# Altium PCB MCH_MAIN.PCBDOC (part 9 of 14) (continued)
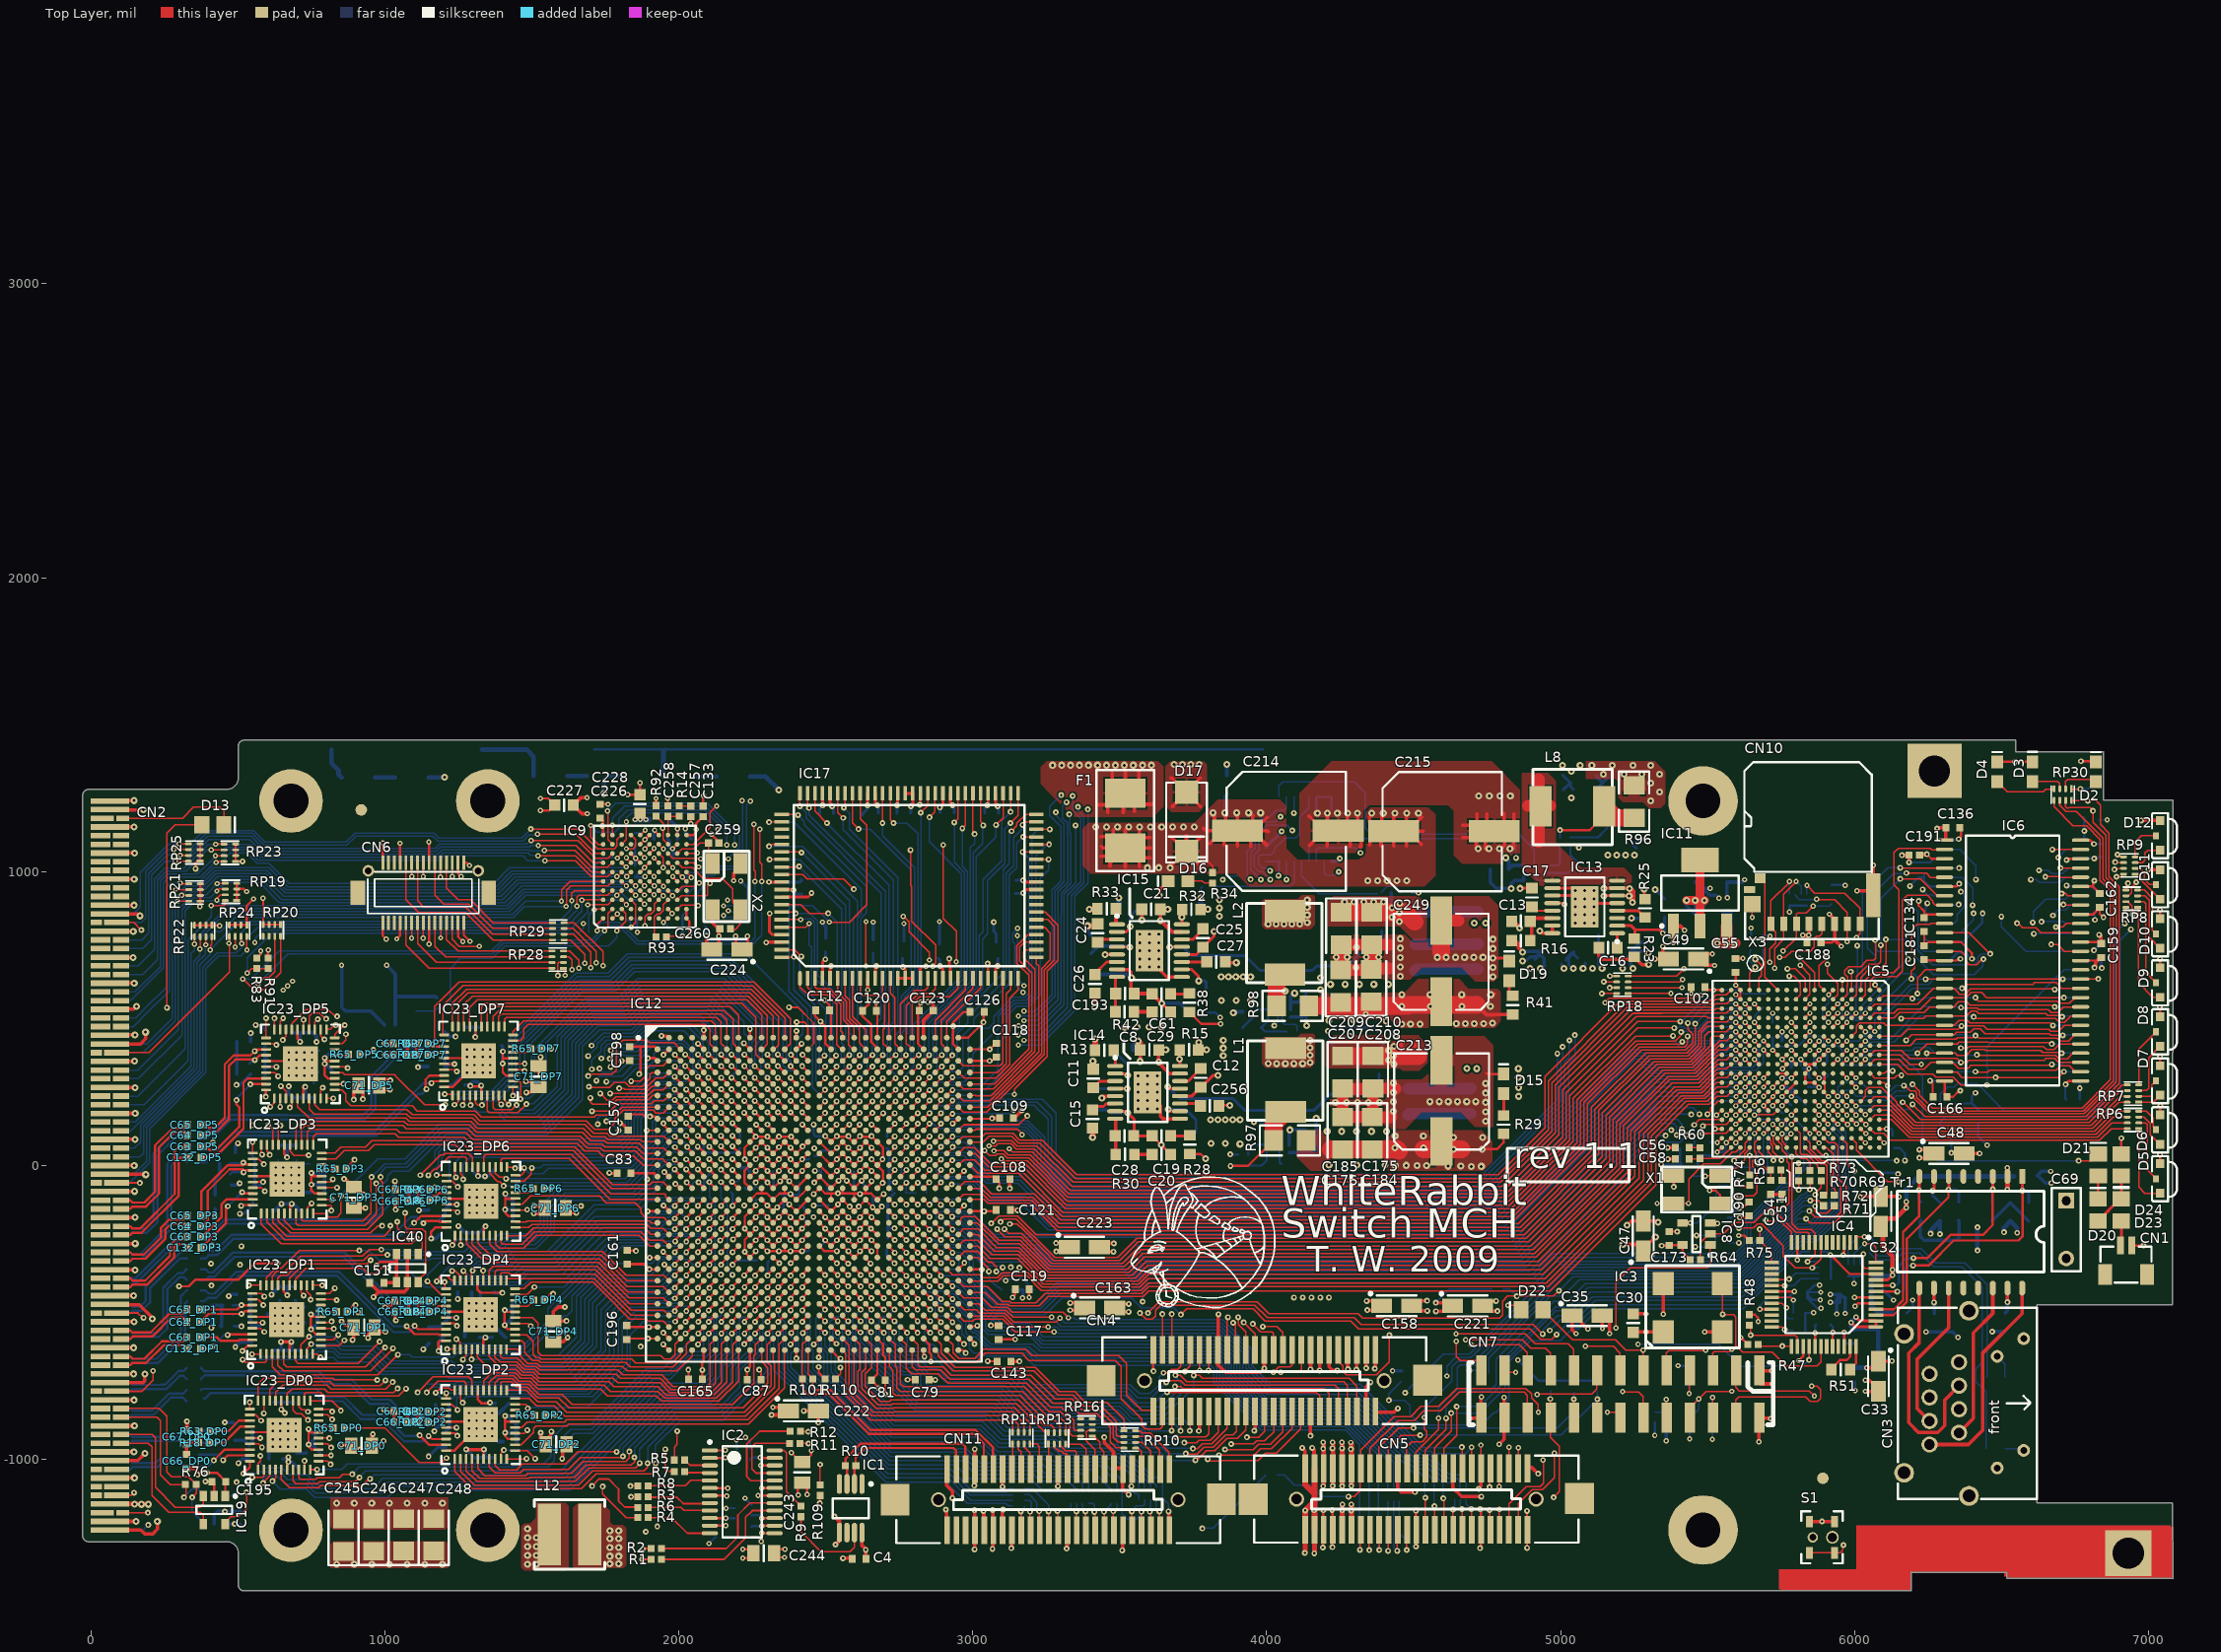
[diagram p0: Top Layer view]
## Nets (pads, with @x,y where several pads share a name; then routed paths per layer and width w, separated by ;. In a path a pad name is that pad's centre, name@x,y a point inside that pad or via, vN(x,y) a via of type N, cw(c..) or ccw(c..) an arc to the next point about the centre after c; other vN are vias at no path point) (continued)
  Top Layer w12: CN2.1@64.97,-1240.18 170.28,-1240.18 183,-1252.9 211.6,-1252.9 227.2,-1237.3 v3@227.2,-1212.9 ; CN2.40@81.11,-88.21 v3@141.15,-88.21 ; CN2.43@81.11,0.37 v3@141.15,0.37 ; CN2.46@81.11,88.96 v3@141.15,88.96 ; CN2.61@81.11,531.87 146.77,531.87 v3(155.8,540.9) ; CN2.64@81.11,620.45 v3@141.15,620.45 ; CN2.67@81.11,708.05 143.65,708.05 v3(144.4,707.3) ; CN2.70@81.11,796.63 v3@141.15,796.63 ; CN2.49@82.1,177.54 v3@142.14,177.54 ; CN2.52@82.1,265.14 v3@142.14,265.14 ; CN2.55@82.1,354.7 v3@142.14,354.7 ; CN2.58@82.1,444.27 v3@142.14,444.27 ; CN2.73@82.1,885.22 v3@142.14,885.22 ; CN2.76@82.1,974.78 v3@142.14,974.78 ; CN2.79@82.1,1063.37 v3@142.14,1063.37 ; CN2.22@83.08,-619.7 v3@143.12,-619.7 ; CN2.34@83.08,-265.37 v3@143.12,-265.37 ; CN2.82@83.08,1151.95 v3@143.12,1151.95 ; CN2.85@83.08,1241.52 v3@143.12,1241.52 ; CN2.25@84.07,-531.12 v3@144.1,-531.12 ; CN2.31@84.07,-354.94 v3@144.1,-354.94 ; CN2.37@84.07,-177.78 v3@144.1,-177.78 ; CN2.7@85.05,-1062.62 v3@145.09,-1062.62 ; CN2.19@85.05,-708.29 v3@145.09,-708.29 ; CN2.28@85.05,-442.54 v3(145.09,-442.54) ; CN2.13@86.03,-885.45 v3@146.07,-885.45 ; CN2.16@86.03,-796.87 v3@146.07,-796.87 ; CN2.10@88,-974.04 v3@148.04,-974.04 ; C66_DP0.1@325.2,-1029.72 350.82,-1029.72 363.2,-1042.1 v1(363.2,-1052.1) ; C67_DP0.1@326.2,-899.48 327,-898.68 v1(327,-870.3) ; v1(894.47,223.7) 894.47,251.17 910.57,267.27 C71_DP5.1@910.57,272.9 910.57,265.13 925.87,249.83 v1(925.87,225.9) ; v1(895,-116.3) C71_DP3.1@895,-144.53 v1(933.83,-144.53) ; v1(942.9,-586.7) 942.9,-573.63 C71_DP1.1@965.43,-551.1 ; C151.1@949.38,-399.1 979.78,-429.5 ; v1(959.6,-914.1) 956.43,-917.27 C71_DP0.1@956.43,-954.1 978.8,-954.1 995.8,-937.1 v1(995.8,-936.9) ; v1(961.6,-447.68) 979.78,-429.5 ; C71_DP1.1@978.6,-535.9 965.43,-549.07 C71_DP1.1@965.43,-551.1 ; v1(997.2,-829.7) 1003.6,-836.1 C67_DP2.1@1031.38,-836.1 1031.38,-872.1 C66_DP2.1@1030.38,-873.1 ; v1(999.4,415.1) C67_DP7.1@1029.18,415.1 ; v1(1001,-481.9) 1012.58,-481.9 C67_DP4.1@1034.38,-460.1 ; v1(1001,376.9) C66_DP7.1@1029.38,376.9 ; v1(1001.8,-565.9) 980.23,-565.9 C71_DP1.1@965.43,-551.1 ; C66_DP4.1@1031.58,-495.3 C66_DP4.1@1034.38,-498.1 v1@1034.38,-522.68 ; v1(1034.6,-53.1) 1034.6,-81.32 C67_DP6.1@1035.38,-82.1 ; C66_DP6.1@1035.38,-122.1 1037,-123.72 v1(1037,-150.1) ; IC40.2@1077,-301.86 IC40.5@1077,-396.34 1077,-419.1 1066.6,-429.5 979.78,-429.5 ; v1@1478.6,286.3 1504.17,286.3 1515.12,275.35 C71_DP7.1@1523,267.47 ; v1@1484.8,248.3 1494,248.3 1513.17,267.47 C71_DP7.1@1523,267.47 ; C71_DP7.1@1518.83,263.3 C71_DP7.1@1523,267.47 ; v1@1604.6,-992.9 C71_DP2.1@1604.6,-954.66 ; C71_DP2.1@1616.67,-953.1 1611.41,-947.84 1641.94,-947.84 v1(1647.2,-953.1) ; v1(1619.2,-559.5) 1613.83,-559.5 C71_DP4.1@1573.4,-599.93 1607.37,-599.93 v1(1621.8,-585.5) ; C71_DP6.1@1632.03,-160.7 v1(1651.6,-160.7) ; v2(1688,1250.9) 1666.5,1250.9 C227.1@1641.5,1225.9 1670.5,1196.9 v2(1689,1196.9) ; C224.2@2094,753.72 v2(2094,781.9) ; C260.1@2131.28,802.9 2131.28,809.02 2115,825.3 X2.2@2115,870.42 X2.2@2132,887.42 ; C224.2@2137,741.9 2137,792.9 ; v2(2187,968.9) 2187,994.9 X2.4@2209.49,1017.39 ; X2.4@2209.49,1010.9 X2.4@2209.49,1027.9 ; v2(2298,758.9) 2298.84,759.74 IC17.98@2350.32,759.74 ; v1(2425.2,-834.5) C222.2@2474.58,-834.5 ; C222.2@2456.38,-816.3 C222.2@2474.58,-834.5 ; v1(2474.8,-874.3) 2475.18,-873.92 C222.2@2475.18,-835.1 C222.2@2474.58,-834.5 ; v1@2530.4,-1194.3 2546.61,-1210.51 IC1.5@2546.61,-1248.78 2546.61,-1276.09 v1(2533.2,-1289.5) ; v1(2559,-1336.3) 2587.58,-1336.3 C4.1@2589.38,-1338.1 ; IC17.10@2642.65,636.71 2642.65,597.25 v2(2643,596.9) ; C79.2@2851.55,-728.98 2872.28,-728.98 v1(2872.4,-729.1) ; v1(2908.8,-1170.5) 2911.79,-1173.49 CN11.2@2911.79,-1238.43 ; CN11.1@2911.79,-1029.77 2911.79,-1088.9 2930.8,-1107.91 v1(2930.8,-1131.7) ; IC12.H27@2950.31,159.21 IC12.H27@2951.17,159.21 ; v1(3005.2,-1088.9) 3006.28,-1087.82 3006.28,-1029.77 3006.28,-965.62 v1(3006.8,-965.1) ; v1(3006,-1172.9) 3006.28,-1173.18 3006.28,-1238.43 3006.28,-1305.62 v1(3006.2,-1305.7) ; v1(3067.2,-1303.9) 3066.8,-1304.3 3066.4,-1304.3 3069.27,-1301.43 3069.27,-1238.43 3069.27,-1172.97 v1(3068.6,-1172.3) ; CN11.13@3100.76,-1029.77 3100.76,-1088.66 v1@3101.2,-1089.1 ; v1(3126,-78.1) 3126,-46.72 C108.2@3126.62,-46.1 ; C121.2@3127.62,-151.1 v1@3148,-151.1 ; C143.2@3129.62,-666.1 3158.4,-666.1 v1(3158.8,-666.5) ; v1(3131.2,-1301.7) 3132.26,-1300.64 CN11.16@3132.26,-1238.43 ; C109.2@3138.62,161.9 3142,161.9 v1(3167,186.9) ; CN11.25@3289.74,-1029.77 3289.74,-1091.04 v1(3289.8,-1091.1) ; v1(3319.6,-1303.3) 3321.24,-1301.66 CN11.28@3321.24,-1238.43 ; v3@3439.38,232.08 3438.99,231.7 3437.8,231.7 3441.77,235.67 IC14.5@3484.75,235.67 ; v1@3448.41,-922.78 3448.41,-935.29 3448.41,-943.7 3478.72,-974.01 3478.72,-1029.77 3510.21,-1029.77 3510.21,-1099.51 v1(3530.2,-1119.5) ; v3@3452.51,717.81 IC15.5@3491.55,717.81 ; C223.2@3455.8,-264.7 v1@3477.4,-264.7 ; C223.2@3456.8,-261.7 3440.4,-278.1 C223.2@3431.18,-278.1 3444.2,-278.1 3459.2,-293.1 v1(3478.8,-293.1) ; v1@3478.4,-261.7 3479.8,-263.1 v1(3479.8,-265.3) ; v1(3508.2,-1309.2) 3510.21,-1307.19 CN11.40@3510.21,-1238.43 ; v1(3530.4,-497.8) 3496.48,-497.8 C163.2@3483.18,-484.5 3497.38,-470.3 3530.2,-470.3 v1(3530.6,-470.7) ; C8.2@3569.76,393.22 3569.76,357.08 v3@3570.52,356.32 ; IC15.PAD@3575.28,757.11 IC15.PAD@3601.79,730.6 ; C21.2@3575.28,872.08 3575.44,871.92 v3(3575.44,834.67) ; IC14.PAD@3594.99,248.47 3639.42,204.04 3639.42,167.34 3647.86,158.9 IC14.9@3705.22,158.9 ; IC15.PAD@3601.79,703.04 3601.79,700.05 3660.81,641.04 IC15.9@3712.03,641.04 ; v1(3636,919) 3636,938.36 D16.2@3664.54,966.9 ; 3674.7,1318.3 3677.99,1318.3 D17.A@3727,1269.29 ; 3679.8,1222.2 3679.91,1222.2 D17.A@3727,1269.29 ; v1(3769.6,-903.1) 3771.27,-901.43 CN4.12@3771.27,-839.43 ; 3774.1,1318.5 3727,1271.4 D17.A@3727,1269.29 ; 3775.2,1221.5 3774.79,1221.5 D17.A@3727,1269.29 ; CN4.15@3834.26,-630.77 3834.26,-678.36 3859.8,-703.9 3978.6,-703.9 v1@3985.7,-696.8 ; CN4.15@3834.52,-627.77 3834.52,-507.58 v1(3836,-506.1) ; C27.2@3859.5,692.9 3862.5,689.9 v3(3897,689.9) v3@3894,692.9 ; v1(3957.8,-902.1) 3960.24,-899.66 CN4.24@3960.24,-839.43 ; CN4.25@3991.74,-630.77 v1(3991.74,-690.76) ; 4143.8,1189.9 C214.2@4194.8,1138.9 ; 4146,1089.5 4195.4,1138.9 C214.2@4243.26,1138.9 ; v1@4149,-913.7 4149.22,-913.48 CN4.36@4149.22,-839.43 ; v1(4149,-694.1) 4149.48,-693.62 CN4.35@4149.48,-627.77 ; v1(4180,-697.1) 4180.98,-696.12 CN4.37@4180.98,-627.77 ; 4205.2,1086.7 4205.2,1100.84 C214.2@4243.26,1138.9 ; v3(4206.5,1199.03) 4206.5,1175.66 C214.2@4243.26,1138.9 ; CN4.39@4212.47,-627.77 4212.47,-685.57 4224,-697.1 v1(4240,-697.1) ; v3(4275,1199.03) 4275,1170.64 C214.2@4243.26,1138.9 ; CN4.43@4275.2,-630.77 4275.2,-691.5 v1(4276.6,-692.9) ; 4283.6,1087.5 4283.8,1087.7 4283.8,1108 4252.9,1138.9 C214.2@4243.26,1138.9 ; v1(4305.2,-694.3) 4306.7,-692.8 CN4.45@4306.7,-630.77 ; v3(4309.26,1199.03) 4309.4,1198.88 4309.4,1165.6 4282.7,1138.9 C214.2@4243.26,1138.9 ; 4318.7,1084.7 4321.5,1087.5 4321.5,1116 4298.6,1138.9 C214.2@4243.26,1138.9 ; CN4.48@4338.2,-839.43 4338.2,-752.5 v1(4353.2,-737.5) ; v1(4338.2,-689.5) CN4.47@4338.2,-630.77 ; v1(4368,-691.1) 4368,-691.7 4369.2,-692.9 4369.69,-692.41 CN4.49@4369.69,-630.77 ; CN4.50@4369.69,-839.43 4433.07,-839.43 v1(4446.4,-826.1) ; CN5.21@4444.75,-1027.77 4444.75,-1097.25 4457.9,-1110.4 v1(4504.4,-1110.4) ; v1(4545.4,-460.3) 4513.1,-460.3 4501.12,-472.28 4498,-472.28 C158.2@4493.18,-477.1 4501.9,-477.1 4509.6,-484.8 4509.6,-490.9 4513,-494.3 v1(4546.3,-494.3) ; CN5.33@4633.72,-1027.77 4633.72,-1097.02 4663,-1126.3 v1(4730.1,-1126.3) ; 4666.6,1115.5 C215.2@4714.6,1115.5 ; 4666.72,1158.07 4711.03,1158.07 C215.2@4711.8,1157.3 ; v3@4712.92,1080.67 4712.92,1113.82 C215.2@4714.6,1115.5 ; 4715.32,1195.47 4715.32,1164.78 C215.2@4719.6,1160.5 ; C215.2@4716.4,1117.5 4716.6,1117.5 C215.2@4714.6,1115.5 ; C215.2@4725.4,1123.1 4717.8,1115.5 C215.2@4714.6,1115.5 ; 4743.8,1079.09 C215.2@4743.8,1103.8 ; 4748.4,1195.27 4748.4,1155.7 C215.2@4757.2,1146.9 ; C215.2@4750.8,1110.1 C215.2@4751,1110.3 ; C215.2@4774.26,1137.9 4808.9,1103.26 4808.9,1089.8 4796.9,1077.8 v3(4791.73,1077.8) ; v1(4780.6,-461) 4779.8,-461.8 4755.6,-461.8 4739.8,-477.6 C221.2@4734.58,-477.6 4745.8,-488.82 4745.8,-492.2 4748.6,-495 v1@4781.8,-495 ; C215.2@4797.4,1158.5 C215.2@4799.52,1160.62 ; C215.2@4797.8,1107.09 4798.72,1108 4798.72,1117.58 C215.2@4798.2,1118.1 ; C215.2@4808,1160.55 4808,1197.2 ; C215.2@4834,1115.9 4839.72,1110.18 4839.72,1078.87 ; C215.2@4835.8,1153.5 4840.52,1158.22 4840.52,1196.47 ; CN5.49@4885.69,-1027.77 4902.57,-1027.77 v1(4923.6,-1048.8) ; v3(4929,797.9) 4936.57,790.33 4971.13,790.33 IC13.16@4971.76,790.33 IC13.15@4971.76,815.92 ; C16.1@5129.87,740.59 5129.87,713.03 5142,700.9 5241.5,700.9 R23.2@5250,709.4 5276.5,682.9 5299,682.9 v3(5299,683.9) ; v2(5142,-555.1) 5141.18,-554.28 C35.2@5141.18,-511.1 5166,-535.92 v2(5166,-572.1) ; v3(5225.6,-203.5) 5240.18,-188.92 C47.2@5281,-188.92 5327.42,-188.92 v3(5331.6,-193.1) ; C30.1@5247,-504.6 5289.5,-504.6 v2(5290,-505.1) ; v1@5320.01,702.39 C49.2@5366.71,702.39 5353.49,702.39 5351,699.9 5348,702.9 v2(5348,744.9) ; v1@5320,702.4 v1(5320,702.9) ; v1(5363.6,60.9) C56.1@5390.38,60.9 ; v1(5364.8,21.9) C58.1@5390.38,21.9 ; v2(5383,757.9) 5383.45,758.35 IC11.1@5383.45,814.7 5407.2,814.7 v2(5421,800.9) ; v2(5490,-566.1) 5490.35,-566.45 IC3.2@5549,-566.45 ; C55.1@5595,704.52 5619.62,704.52 v2(5620,704.9) ; v2(5674,-940.1) 5673.88,-939.98 5673.88,-860.1 5713,-860.1 5714,-861.1 v2(5715,-861.1) ; C54.1@5714.54,-98.56 5737.24,-98.56 ; v2(5718,-699.1) 5717.58,-698.68 5673.88,-698.68 5673.88,-737.22 5673,-738.1 5678,-743.1 v2(5720,-743.1) ; 5737.73,-98.08 5737.24,-98.56 ; C51.1@5751.54,-98.56 5751.42,-98.56 5737.24,-98.56 ; S1.A@5845.81,-1211.79 5889.08,-1211.79 5927.11,-1211.79 S1.C@5927.2,-1211.7 ; v2(5914,854.9) 5931.96,836.94 CN10.P6@5931.96,822.07 5931.96,767.94 v2(5954,745.9) ; v2(6008,934.9) 6048.65,934.9 CN10.G1@6063.85,919.7 6063.85,1021.75 v2(6064,1021.9) ; v1(6161,1055.9) C191.1@6185.28,1055.9 6185.28,1031.78 v1(6185.08,1031.57) ; C48.2@6372.18,40.9 v1(6425,40.9) ; v1@6814.2,732.1 v1(6814.4,732.1) ; v1@6820,677.7 6820,689.23 C159.1@6838.73,707.96 ; X2.4@2209.49,1017.39 X2.4@2209.49,1027.9 ; X2.4@2209.49,1017.39 X2.4@2209.49,1027.9 ; v1@3985.7,-696.8 v1(3991.74,-690.76) ; v1@3985.7,-696.8 v1(3991.74,-690.76)
  Top Layer w20: v3(3390.5,815.4) 3391.32,814.58 C24.1@3422.77,814.58 ; C15.1@3407.66,126.81 3407.66,94.84 v3(3407.7,94.8) ; v3@3409.5,354.6 3409.5,327.96 C11.1@3409.66,327.8 ; v3@3415.77,539.13 C26.1@3415.77,586.59 ; v3@3563.5,422.7 3569.76,416.44 C8.2@3569.76,393.22
  Top Layer w40: C176.2@4258.47,262.32 4258.47,165.16 4358.66,165.16 4361.47,167.96 C175.2@4361.47,262.32 ; C176.2@4281.15,259.86 4359.01,259.86 C175.2@4361.47,262.32 ; C184.1@4359.07,164.76 4422.86,164.76 4424.6,166.5 ; 4416.9,670.4 4359.06,670.4 C209.2@4356.89,668.23 ; 4418.4,751.1 4418.3,751 C208.2@4356.89,751 ; 4437.2,261.5 4436.38,262.32 C175.2@4361.47,262.32 ; 4593.59,727.51 4596.2,724.9 ; C249.2@4593.59,832.88 4652.28,832.88 4653.1,833.7 ; C209.2@4356.89,668.23 C209.2@4355.89,667.23 4353.89,665.23 C207.2@4251.89,665.23 4252.89,666.23 C210.2@4252.89,751 C208.2@4356.89,751 ; C209.2@4356.89,668.23 C208.2@4356.89,751
  Top Layer w60: 4593.59,727.51 C249.2@4593.59,832.88
  MidLayer1 w8: v1@6846,844.3 v1(6846.4,844.3)
  MidLayer1 w10: v1@2416.2,411.64 v1@2416.2,418.9
  MidLayer1 w12: v1@1000,375.9 v1(1001,376.9)
  Bottom Layer w5: v1(628.77,-6.87) 638,2.36 C70_DP3.1@638,21.28 ; C252_DP3.1@699,20.28 699,1.64 v1(707.51,-6.87) 719.28,4.9 C74_DP3.1@747.38,4.9 ; C68_DP3.1@742.89,-85.61 C68_DP3.1@749.38,-92.1 ; v1@2773.92,-18.03 v1(2773.92,-15.08) ; v1(2813.29,-58.39) 2825.2,-70.3 2833.2,-70.3 ; C113.2@2813.29,-18.03 v1(2813.29,-15.08) ; v1@2816.82,257.29 2818.08,258.54 v1@2822.15,258.54 ; 2833.8,-70.3 2842.12,-78.62 R22.1@2842.12,-94.5 ; v1(3850.3,972.1) 3863.82,985.62 R89.1@3902,985.62 ; v1@5462.2,-237.7 5487.88,-237.7 R67.1@5491.28,-241.1 ; C182.1@6827.62,1175.9 6858.8,1175.9 v2(6859,1176.1)
  Bottom Layer w6: v2@1980.62,1071.15 v2@1980.62,1076.28 ; v2@2022,1144.9 v2(2022,1145.9)
  Bottom Layer w8: v3@140.76,-88.6 v3@141.15,-88.21 ; v3@140.76,-0.02 v3@141.15,0.37 ; v3@140.76,88.56 v3@141.15,88.96 ; v3@141.74,177.15 v3@142.14,177.54 ; v3@141.74,264.74 v3@142.14,265.14 ; v3@142.73,-620.1 v3@143.12,-619.7 ; v3@142.73,-265.77 v3@143.12,-265.37 ; v3@143.71,-531.52 v3@144.1,-531.12 ; v3@143.71,-355.33 v3@144.1,-354.94 ; v3@143.71,-178.17 v3@144.1,-177.78 ; v3@144.7,-1063.01 v3@145.09,-1062.62 ; v3@144.7,-708.68 v3@145.09,-708.29 ; v3@144.7,-442.93 v3(145.09,-442.54) ; v3@145.68,-885.85 v3@146.07,-885.45 ; v3@145.68,-797.26 v3@146.07,-796.87 ; v3@147.65,-974.43 v3@148.04,-974.04 ; C67_DP1.1@486.62,-546.1 513.2,-546.1 v1@514.8,-547.7 ; C67_DP1.1@492.62,-547.1 v1(512.2,-547.1) ; C75_DP5.1@592.99,260.86 592.99,236.27 v1(595.09,234.18) ; v1(752.32,385.05) 759.17,391.9 C251_DP5.1@776.38,391.9 ; C250_DP5.1@759,279.52 759,299.63 v1(752.32,306.31) 762.91,316.9 C74_DP5.1@774.38,316.9 ; C192.1@1852,1131.62 1876.72,1131.62 v2(1886,1140.9) ; v2(1884,1013.9) 1852,981.9 C225.1@1852,980.28 1883.62,980.28 1884,979.9 1885,980.9 v2(1885,982.9) ; C235.1@2012.62,809.9 2012.62,850.81 R80.1@2025,863.18 ; R78.2@2078.72,-88.1 2086.05,-80.76 2086.05,-48.93 2106.49,-28.5 C142.2@2108.02,-28.5 ; v2(2103,-1286.1) 2124.28,-1264.82 C7.1@2127,-1264.82 ; v2(2161,-1166.1) 2161.72,-1165.38 C3.2@2191,-1165.38 ; R81.2@2177.72,-91.1 2183.37,-96.75 v1(2183.37,-137.13) ; v2(2196,-933.1) 2197,-934.1 C1.2@2197,-964.38 ; v1@2224.71,178.82 C115.1@2230.83,172.7 ; v2(2225,-1132.1) 2247,-1154.1 C5.1@2247,-1154.38 ; v2(2227,-925.1) 2243,-941.1 C6.2@2243,-964.38 ; C2.1@2247,-1264.82 2266.72,-1264.82 v2(2281,-1279.1) ; C122.2@2320.13,-21.6 2320.13,-28.81 2323.13,-31.81 2323.13,-71.18 C86.1@2329.04,-77.09 ; C86.1@2342.56,-97.98 2379.02,-97.98 v1(2380.19,-96.81) ; C86.1@2356.6,-120.4 2356.6,-151.89 v1(2380.22,-175.51) ; v1(2380.19,-96.81) 2383.43,-99.98 IC42.2@2411.88,-99.98 2409.75,-97.85 2409.75,-62.58 IC42.3@2409.75,-59.37 ; v1(2419.59,-254.25) 2419.59,-252.29 C90.1@2441.25,-230.63 ; v1(2419.59,-175.51) 2441.25,-197.17 C90.1@2445.18,-197.17 ; v1(2421.56,64.64) 2421.56,68.58 C84.1@2445.18,92.2 ; v1(2458.96,139.45) 2458.96,109.92 C84.1@2460.93,107.95 ; C84.1@2460.93,104.01 2462.31,102.64 2464.87,100.08 v1(2498.33,100.08) ; v1(2622.35,-51.5) 2622.35,-57.4 C88.1@2640.06,-75.12 ; C88.1@2657.78,-110.55 2659.75,-112.52 v1(2659.75,-142.05) ; C88.1@2669.59,-116.46 2691.25,-138.11 v1(2691.25,-140.08) ; R118.1@3091.72,-387.1 v2@3112,-387.1 ; v2(3112,-392.1) v2@3112,-387.1 ; R102.1@3133.28,-387.1 v2@3112,-387.1 ; v3(4172.25,1199.03) 4169.39,1201.89 U1.6@4169.39,1254.15 U1.8@4220.3,1254.15 ; v3(4206.5,1199.03) 4220.57,1213.09 U1.8@4220.57,1254.15 ; IC41.2@4242.76,432.9 4274.61,432.9 v1(4283.01,441.29) ; R90.1@4494.72,927.9 v1@4516.07,927.9 ; v2(5328,-129.1) C98.1@5360.38,-129.1 ; v1(5384.8,-72.9) 5384.8,-54.68 C62.1@5403.38,-36.1 ; C57.1@5510.25,79.11 v2@5533.87,79.11 ; IC10.7@5569.34,-154.86 5598.27,-154.86 v1@5605.84,-147.29 ; v2@5592.92,79.11 5595.86,76.18 v2(5595.86,77.15) 5608.51,64.5 C59.1@5608.51,43.39 ; C100.1@5647,781.52 v2(5647,807.9) ; v2(5678,-489.1) 5678,-477.48 C41.2@5706.38,-449.1 C41.2@5705.38,-448.1 ; C106.1@5686,781.52 5711.38,781.52 v2(5712,780.9) ; v2(5690.35,203.14) 5690.35,193.93 C53.1@5707.38,176.9 ; C43.1@5720.64,486.67 5720.64,517.85 v2@5720.88,518.09 ; v2@5754.34,234.63 5782.88,206.08 C50.1@5785.05,206.08 ; C52.1@5816.35,340.96 v2@5816.35,359.63 ; C52.1@5823.38,331.9 5826.16,329.11 v2(5844.62,329.11) 5844.62,301.53 C45.1@5848.24,297.91 ; R117.1@5838.91,-428.71 R117.1@5838.91,-439.1 ; C46.1@5841.23,267.38 5878.08,267.38 v2(5879.32,266.13) ; v2@5841.2,331.9 5843.8,329.3 v2@5844,329.3 ; R117.1@5852,-452.1 5839,-439.1 R117.1@5838.91,-439.1 ; v2(5881,-407.1) 5870.91,-407.1 5863,-407.1 5838.91,-431.19 R117.1@5838.91,-439.1 ; v2(5883,-457.1) 5851,-457.1 5845,-451.1 5845,-445.19 R117.1@5838.91,-439.1 ; v2(5885,-431.1) 5846.91,-431.1 R117.1@5838.91,-439.1 ; v2(5886,-486.1) 5874,-486.1 5838.91,-451.01 R117.1@5838.91,-439.1 ; C38.2@5890.62,-293.1 5907,-293.1 v2(5918,-304.1) 5918.69,-304.79 RP1.5@5918.69,-326.57 RP1.6@5918.69,-346.26 RP1.7@5918.69,-365.94 RP1.8@5918.69,-385.63 ; C99.1@5906.23,351.08 5906.23,387.5 v2(5910.82,392.11) ; C40.2@5916.62,-540.1 5926,-549.48 v2(5926,-568.1) ; C104.1@6137.62,59.28 C104.1@6136,59.28 6153.62,59.28 6171,41.9 v1(6171,16.9) ; v1(6185.08,1031.57) 6185.08,1031.25 6185.52,1030.81 6236.9,1030.81 6256.23,1030.81 6269.05,1043.63 IC7.52@6302.86,1043.63 ; C172.1@6241.9,820.81 6241.9,854.7 ; v1(6247.45,892.1) 6241.9,886.55 6241.9,854.7 ; v1@6257.35,287.72 IC7.28@6302.86,287.72 ; IC7.46@6275.74,854.65 IC7.46@6302.86,854.65 6302.81,854.7 6241.9,854.7 ; IC7.41@6302.86,697.17 6324,697.17 6350.96,724.13 6376.06,724.13 6397.06,703.13 v1(6399.03,703.13) ; IC7.54@6302.86,1106.62 6349.76,1106.62 v1(6353.75,1110.61) ; v1(6329,42.9) 6329,58.9 ; 6329,53.9 6329,58.9 ; 6329,94.9 IC39.5@6329,116.66 6329,58.9 ; IC39.2@6329,211.14 IC39.3@6366.4,211.14 6399.38,211.14 ; v1(6410.8,247.1) 6399.38,235.68 6399.38,211.14 ; C148.1@6420,190.52 6399.38,211.14 ; 6716.31,240.22 6716.31,253.9 ; v1(6717.92,275.96) 6716.31,274.35 6716.31,253.9 ; C189.1@6719.38,224.9 6716.31,227.97 6716.31,253.9 ; v1(6720.8,952.9) 6724.56,949.14 IC7.6@6765.85,949.14 6807.55,949.14 C149.1@6830.13,926.55 ; IC7.12@6765.85,760.16 6828.21,760.16 C150.1@6831.11,757.26 ; v1(6769.9,1375.5) 6817.86,1375.5 D1.2@6820,1373.36 ; v1(6814.4,1093.9) 6845.03,1093.9 C180.1@6845.73,1093.2
  Bottom Layer w10: v1(2306.7,964.7) 2413.18,964.7 C232.1@2418.13,969.64 ; C232.1@2415.51,974.09 C232.1@2419.12,970.49 ; v1(2521.95,1222.12) 2526.74,1217.34 C231.1@2526.74,1196.86 ; C216.1@2621.78,1192.5 2624.8,1192.5 2624.8,1195.7 2642.2,1213.1 v1(2642.2,1224.9) ; C229.1@2741.5,1198.86 2742.43,1199.79 v1(2742.43,1226.06) ; v2(2766,822.9) 2766,821.9 2766.4,821.5 2766.4,779.9 ; C217.1@2766.4,762.12 2766.4,779.9 ; 2766.4,796.9 2766.4,779.9 ; 2886.4,782.3 2886.4,776.9 ; 2886.4,814.3 C220.1@2886.4,753.12 2886.4,776.9 ; v2(2887,829.9) 2886.4,829.3 2886.4,776.9 ; v1(2931.4,1226.06) 2936.74,1220.72 C212.1@2936.74,1198.86 ; C197.1@3040.5,1198.86 3040.5,1217.04 v1(3049.51,1226.06) ; v1(3072,827.9) 3072,796.3 3079.4,788.9 C199.1@3079.4,759.12 ; C230.1@3145.12,925.24 3148.13,925.24 3166.02,925.24 v1@3167.62,926.85 ; IC22.1@4077,95.9 IC22.1@4077,102.9 ; IC22.1@4078,93.31 IC22.1@4078,95.9 ; C94.2@4129.5,118.9 C94.2@4132,121.4 ; 5002.4,681.9 5002.4,686.18 ; C171.1@5007.08,1327.7 C171.1@5032.88,1301.9 ; C171.1@5009,1278.02 C171.1@5032.88,1301.9 ; C168.1@5019.2,697.1 C168.1@5019.2,702.98 ; 5029.2,680.9 5028.8,681.3 5028.8,707.1 C168.1@5044.12,722.42 ; C171.1@5041.6,1279.7 5042.6,1280.7 5032.88,1290.42 C171.1@5032.88,1301.9 ; C168.1@5058.6,704.9 5044.12,719.38 C168.1@5044.12,722.42 ; 5083.8,680.1 5083.8,688.22 ; 5127.8,785.1 5128.88,784.02 C255.1@5128.88,727.9 ; 5128.6,679.3 5128.88,679.58 C255.1@5128.88,727.9 ; C255.1@5156,700.78 C255.1@5151.28,705.5 ; 5181.6,697.3 5173.4,705.5 C255.1@5151.28,705.5 ; C170.1@5246,1090.78 C170.1@5257,1079.78 ; C168.1@5019.2,702.98 C168.1@5044.12,727.9 ; C168.1@5019.2,702.98 C168.1@5044.12,727.9 ; C168.1@5044.12,722.42 C168.1@5044.12,727.9 ; C168.1@5044.12,722.42 C168.1@5044.12,727.9 ; C255.1@5128.88,727.9 C255.1@5148,708.78 ; C255.1@5128.88,727.9 C255.1@5148,708.78 ; C255.1@5148,708.78 5148,705.5 C255.1@5151.28,705.5 ; C255.1@5148,708.78 C255.1@5151.28,705.5
  Bottom Layer w12: CN2.131@58.08,-88.6 CN2.131@64.97,-88.6 v3@140.76,-88.6 ; CN2.128@58.08,-0.02 CN2.128@64.97,-0.02 v3@140.76,-0.02 ; CN2.125@58.08,88.56 CN2.125@64.97,88.56 v3@140.76,88.56 ; CN2.110@58.08,531.48 CN2.110@64.97,531.48 146.38,531.48 v3(155.8,540.9) ; CN2.107@58.08,620.06 CN2.107@64.97,620.06 v3@140.76,620.06 ; CN2.104@58.08,707.66 64.97,707.66 v3@140.76,707.66 ; CN2.101@58.08,796.24 64.97,796.24 v3@140.76,796.24 ; CN2.122@59.07,177.15 CN2.122@64.97,177.15 v3@141.74,177.15 ; CN2.119@59.07,264.74 64.97,264.74 v3@141.74,264.74 ; CN2.116@59.07,354.31 CN2.116@64.97,354.31 v3@141.74,354.31 ; CN2.113@59.07,443.88 64.97,443.88 v3@141.74,443.88 ; CN2.98@59.07,884.82 64.97,884.82 v3@141.74,884.82 ; CN2.95@59.07,974.39 CN2.95@64.97,974.39 v3@141.74,974.39 ; CN2.92@59.07,1062.97 CN2.92@64.97,1062.97 v3@141.74,1062.97 ; CN2.149@60.05,-620.1 CN2.149@64.97,-620.1 v3@142.73,-620.1 ; CN2.137@60.05,-265.77 CN2.137@64.97,-265.77 v3@142.73,-265.77 ; CN2.89@60.05,1151.55 CN2.89@64.97,1151.55 v3@142.73,1151.55 ; CN2.86@60.05,1241.12 64.97,1241.12 v3@142.73,1241.12 ; CN2.146@61.03,-531.52 CN2.146@64.97,-531.52 v3@143.71,-531.52 ; CN2.140@61.03,-355.33 64.97,-355.33 v3@143.71,-355.33 ; CN2.134@61.03,-178.17 64.97,-178.17 v3@143.71,-178.17 ; CN2.164@62.02,-1063.01 CN2.164@64.97,-1063.01 v3@144.7,-1063.01 ; CN2.152@62.02,-708.68 CN2.152@64.97,-708.68 v3@144.7,-708.68 ; CN2.143@62.02,-442.93 CN2.143@64.97,-442.93 v3@144.7,-442.93 ; CN2.158@63,-885.85 CN2.158@64.97,-885.85 v3@145.68,-885.85 ; CN2.155@63,-797.26 CN2.155@64.97,-797.26 v3@145.68,-797.26 ; CN2.161@64.97,-974.43 v3@147.65,-974.43 ; v1(410,-552.5) C66_DP1.1@410,-521.72 ; IC20.2@420,-1219.34 420,-1188.1 431,-1177.1 509.38,-1177.1 C194.1@510,-1176.48 ; v1(422,-171.5) 423,-170.5 C66_DP3.1@423,-146.72 ; v1(469,-443.9) 473.8,-439.1 C75_DP1.1@496.38,-439.1 ; C67_DP3.1@478.62,-66.1 501.2,-66.1 v1(506.6,-60.7) ; C75_DP3.1@491.38,44.9 491.38,66.68 v1(500.4,75.7) ; v1(495.6,274.3) 507.02,274.3 C67_DP5.1@543.62,310.9 ; v1(502.2,-1012.7) 516.18,-998.72 C75_DP0.1@539,-998.72 ; C66_DP5.1@543.62,420.9 543.62,449.92 v1(544.2,450.5) ; C76_DP1.1@600.62,-505.1 621.41,-505.1 v1(626.77,-510.46) ; C251_DP0.1@605.38,-999.1 605.38,-969.89 v1(618.58,-956.69) ; C70_DP1.1@642,-459.72 642,-474.51 v1(652.36,-484.87) ; C252_DP1.1@696,-459.72 696,-475.36 v1(705.51,-484.87) 709.28,-481.1 C74_DP1.1@726.38,-481.1 ; C68_DP0.1@701,-978.48 732,-978.48 C250_DP0.1@733.38,-977.1 ; v1(705.51,-538.02) 709.43,-534.1 C250_DP1.1@726.38,-534.1 ; v1(707.51,-85.61) 714,-92.1 C68_DP3.1@749.38,-92.1 ; v2(853,681.9) 854,680.9 854,537.9 867,524.9 IC18.5@912.54,524.9 953.28,524.9 C254.2@1000.28,477.9 ; v1(1158,-248.3) 1173.42,-248.3 C75_DP6.1@1187,-234.72 ; v1(1169,-904.1) 1170,-904.1 1170,-900.2 1186.6,-883.6 1186.6,-832.8 1172.38,-818.58 C75_DP2.1@1172.38,-813.1 ; v1(1182.8,-630.9) 1182.8,-599.92 C75_DP4.1@1199,-583.72 ; C75_DP7.1@1204,454.52 1219.02,439.5 1239.8,439.5 v1@1241,438.3 ; C251_DP7.1@1225.38,273.9 1231,273.9 1273.49,316.39 v1(1279.77,316.39) ; C251_DP4.1@1272.38,-583.1 1272.38,-561.09 v1(1286.38,-547.09) ; v1(1286.38,-468.35) 1295.62,-459.11 C70_DP4.1@1295.62,-431.1 ; C252_DP4.1@1325.38,-431.1 1325.38,-454.2 v1(1339.53,-468.35) ; v1(1365.51,-920.61) 1384,-939.1 C250_DP2.1@1402.38,-939.1 ; v1(1365.51,-841.87) 1389.53,-841.87 1422.3,-809.1 C252_DP2.1@1422.62,-809.1 ; v1@1373.61,-547.09 C68_DP4.1@1411.62,-585.1 ; C234.1@1962.62,1110.9 1969,1104.52 1969,1082.77 1980.62,1071.15 C236.1@1980.62,1045.9 ; C235.1@2012.62,805.9 2012.62,784.28 v2@2013,783.9 ; v2@2022,1144.9 2022,1131.52 C237.1@2042.62,1110.9 ; C233.1@2091.62,809.9 2091.62,784.28 v2(2094,781.9) ; R79.2@2210,-7.38 2227.91,-7.38 C85.1@2242.13,-21.6 ; v2(2489,827.9) 2492,824.9 2492,819.62 2500.4,811.22 2500.4,790.9 ; C206.1@2500.4,774.12 2500.4,790.9 ; 2500.4,802.5 2500.4,790.9 ; C219.1@2661.4,769.12 2661.4,789.9 ; 2661.4,805.5 2661.4,789.9 ; v2(2662,827.9) 2661.4,827.3 2661.4,789.9 ; v3(3390.5,815.4) 3390.5,796.9 R36.1@3403,784.4 ; v3@3409.5,354.6 3409.5,355.7 3409.66,355.54 v3@3409.66,354.6 ; v3(3864.5,1364.1) 3864.5,1326.9 C23.1@3865,1326.4 ; 3998,1081.52 3998,1083.3 4050.9,1136.2 v1(4050.9,1136.7) ; IC22.2@4077,70.31 IC22.1@4077,95.9 4077,118.9 4080,121.9 4131.5,121.9 C94.2@4132,121.4 ; IC24.2@4081,530.31 IC24.1@4081,555.9 4081,575.9 v3@4091,585.9 ; IC24.1@4092.59,555.9 4107.5,555.9 C95.2@4134,582.4 ; C238.1@4424.62,455.9 4437.6,442.92 v3(4437.6,440) ; C92.2@4760.5,1007.9 4760.5,963.4 4781,942.9 4832,942.9 4832,958.9 4843,969.9 IC21.1@4874,969.9 IC21.2@4874,995.49 ; v3@5243.88,844.4 v3(5240.8,841.32) 5283.92,841.32 C14.1@5287,844.4 ; C170.1@5246,1090.78 C170.1@5269.72,1114.5 ; v2(5359,-937.1) R59.1@5359,-873.82 ; C169.1@5459.41,964.02 C169.1@5458,964.02 ; v2(5509,943.1) 5478.92,943.1 C169.1@5458,964.02 ; v2(5539,908.9) 5528.4,919.5 5506.6,919.5 5462.08,964.02 C169.1@5458,964.02 ; v2(5567,910.9) 5566,911.9 C253.1@5566,963.83 5617.73,963.83 v2(5626.1,972.2) ; C44.1@5752.61,424.53 5752.61,453.51 v2@5753.4,454.3 ; v2@5784.4,358.1 5785.24,357.26 C60.1@5785.24,333.91 ; v1(6814.4,732.1) 6837.5,755.2 C150.1@6838.73,755.2
  Bottom Layer w16: R112.2@1149.21,1320.06 1202.34,1320.06 v3(1203.1,1320.82) ; v3(1745,1264.9) 1745,1310.9 1759.41,1325.31 R114.2@1801.6,1325.31 ; R116.2@2242.19,1323.49 2294.88,1323.49 v3(2340.59,1277.78)
  Bottom Layer w20: R31.1@3407,125.4 3407,95.5 v3(3407.7,94.8) ; v3@3409.5,354.6 3409.5,326.96 R26.1@3409.66,326.8 ; v3(3415,537.9) 3416,538.9 R44.1@3416,587.4 ; R35.1@3497.28,877.99 3497.28,909.28 v3(3497.8,909.8) ; R24.1@3546.94,395.21 3546.94,406.14 v3@3563.5,422.7
  Bottom Layer w40: C186.1@4480.9,172.42 4485.27,176.79 C183.1@4693.9,176.79 ; C177.2@4481.9,261.86 4693.21,261.86 C178.2@4693.9,262.55 ; C201.1@4505.2,663.52 4509.57,667.89 C211.2@4718.2,667.89 ; C203.1@4506.2,752.96 4717.51,752.96 C204.1@4718.2,753.65